# KiCad board Karnix_ASB.kicad_pcb (continued)
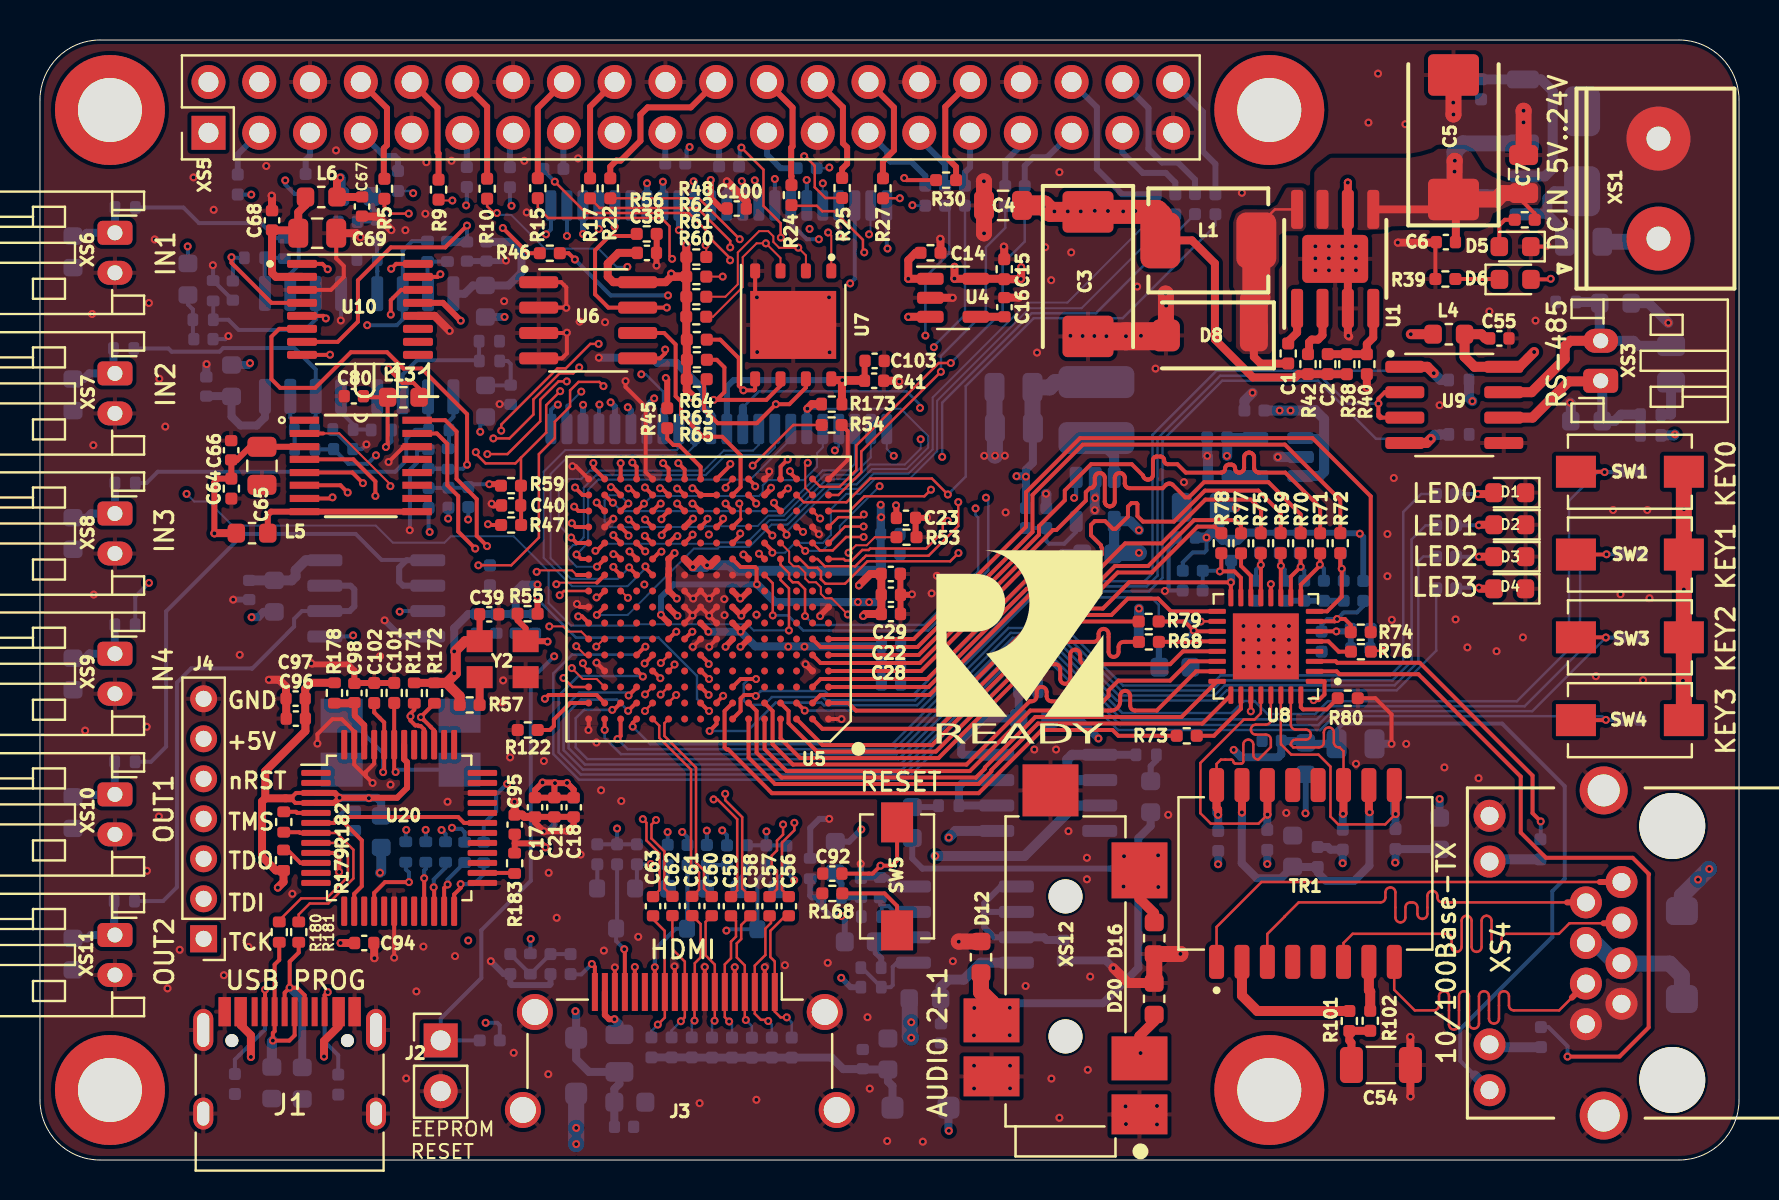
[diagram p0: board, top side]
## Placement (name value [footprint] x y rotation side) (continued)
U20  FT2232D  [LQFP-48_7x7mm_P0.5mm]  17.97 16.6 0 top
U21  K6R4016V1D-TC10 (TSOP-44/+3.3V)  [TSOP-II-44_10.16x18.41mm_P0.8mm]  33.96 42.14 90 bottom
XS1  KLS2-126-5.00-02  [KLS2-126-5.00-2_Vertical]  80.97 48.57 270 top
XS3  S2B-PH-K-S (LF)(SN)  [JST_PH_S2B-PH-K_1x02_P2.00mm_Horizontal]  78.08 38.96 90 top
XS4  RJHSE-5381  [AMPHENOL_RJHSE-5381]  81.66 10.35 90 top
XS5  Conn_02x20_Odd_Even  [PinHeader_2x20_P2.54mm_Vertical]  8.43 51.36 90 top
XS6  S2B-PH-K-S (LF)(SN)  [JST_PH_S2B-PH-K_1x02_P2.00mm_Horizontal]  3.75 46.36 270 top
XS7  S2B-PH-K-S (LF)(SN)  [JST_PH_S2B-PH-K_1x02_P2.00mm_Horizontal]  3.75 39.33 270 top
XS8  S2B-PH-K-S (LF)(SN)  [JST_PH_S2B-PH-K_1x02_P2.00mm_Horizontal]  3.75 32.32 270 top
XS9  S2B-PH-K-S (LF)(SN)  [JST_PH_S2B-PH-K_1x02_P2.00mm_Horizontal]  3.75 25.31 270 top
XS10  S2B-PH-K-S (LF)(SN)  [JST_PH_S2B-PH-K_1x02_P2.00mm_Horizontal]  3.75 18.28 270 top
XS11  S2B-PH-K-S (LF)(SN)  [JST_PH_S2B-PH-K_1x02_P2.00mm_Horizontal]  3.75 11.25 270 top
XS12  SJ-43516-SMT-BE  [CUI_SJ-43516-SMT-BE]  51.3 9.43 90 top
Y1  6MHz  [Crystal_SMD_7050-4Pin_7.0x5.0mm]  18.04 20.87 180 bottom
Y2  25 MHz  [Crystal_SMD_EuroQuartz_MT-4Pin_3.2x2.5mm]  23.15 25.04 0 top

## Library data of the parts
C1 = -: Mfr. Part Number: C1005B332K500NT; Supplier: Elitan
C2 = -: Mfr. Part Number: CC0402JRNPO9BN561; Supplier: Elitan
C3 C5 = -: Description: Polarized capacitor; Mfr. Part Number: TAJE107M025RNJ; Supplier: Fabmicro
C4 C11 C12 C65 C69 = -: Mfr. Part Number: TCC0805X5R226M100FT; Supplier: Fabmicro
C6 C17-C41 C43 C44 C47 C55-C63 C66-C68 C88 C91 C92 C94-C100 C103 = -: Mfr. Part Number: CC0402KRX7R9BB104; Supplier: Fabmicro
C7 D10 D11 D21 D22 D28 D29 Q2-Q4 R107 = -: Supplier: Fabmicro
C8 C9 C14 C15 C64 C87 = -: Mfr. Part Number: GRM155R61E105KA12D; Supplier: Fabmicro
C10 C48 C82 C83 C85 C89 C90 = -: Mfr. Part Number: GRM188R61A106KE69D; Supplier: Fabmicro
C13 C16 = -: Mfr. Part Number: GRM155R71H103KA88D; Supplier: Fabmicro
C42 C46 = -: Mfr. Part Number: TCC0805X5R226M100FT; Supplier: Elitan
C45 = -: Mfr. Part Number: CC0402KRX5R5BB475; Supplier: Fabmicro
C49 = -: Mfr. Part Number: C1608X7R1H474K080AC; Supplier: Fabmicro
C50-C53 = -: Mfr. Part Number: CC0402JRNPO9BN150; Supplier: Fabmicro
C54 = -: Mfr. Part Number: 12061A102JAT2A; Supplier: Elitan
C70-C73 C76 C77 C80 C81 C84 C86 = -: Description: Unpolarized capacitor; Mfr. Part Number: CC0402KRX7R9BB104
C74 C75 C78 C79 = -: Description: Unpolarized capacitor; Mfr. Part Number: GRM155R71H103KA88D
C101 C102 = -: Mfr. Part Number: CC0402JRNPO9BN270; Supplier: Fabmicro
D5 D6 = -: Description: Light emitting diode; Supplier: Fabmicro
D7 = -: Description: Zener Diode; Supplier: Elitan
D8 D23 = -: Supplier: Elitan
D9 = -: Description: Protective Diode; Supplier: Elitan
D12-D20 = -: Description: Protective Diode; Supplier: Fabmicro
F1 F2 = -: Description: Resettable fuse, polymeric positive temperature coefficient, small symbol; Supplier: Fabmicro
H1-H4 = -: Description: Mounting Hole without connection
J1 = -: Description: USB 2.0-only Type-C Receptacle connector; Mfg_1: Jing Extension of the Electronic Co.; Mfr. Part Number: USB4105-GF-A
J3 = -: Description: HDMI 1.4+ type A connector; Manufacturer: Amphenol; Mfr. Part Number: 10029449
J4 = -: Description: Generic connector, single row, 01x07, script generated (kicad-library-utils/schlib/autogen/connector/)
L1 = -: Mfr. Part Number: IHLP2020BZER100M01; Supplier: Elitan
L2 = -: Mfr. Part Number: LQH44PN2R2MP0; Supplier: Fabmicro
L3 L4 L17 = -: Mfr. Part Number: BLM18PG331SN1D; Supplier: Fabmicro
L5-L16 L23 = -: Description: Ferrite Beads Multi-Layer; Mfr. Part Number: BLM18PG331SN1D; Supplier: Fabmicro
Q1 = -: Description: 150A Id, 40V Vds, 3.4mOhm Rds, N-Channel MOSFET, DirectFET MT; Supplier: Elitan
R1 R7 R13 R20 = -: Mfr. Part Number: RC0402JR-07220RL; Supplier: Fabmicro
R2 R8 R14 R19 R45-R52 R56-R62 R64 R65 R82 R83 R86 R87 R91-R93 R152 = -: Mfr. Part Number: RC0402FR-0710KL
R3-R6 R9-R12 R15-R18 R21-R36 = -: Mfr. Part Number: RC0402FR-0751RL; Supplier: Fabmicro
R37 R174 R176 = -: Mfr. Part Number: RC0402FR-075K1L; Supplier: Fabmicro
R38 = -: Mfr. Part Number: RC0402FR-0733KL; Supplier: Elitan
R39 = -: Mfr. Part Number: RC0402FR-073KL; Supplier: Elitan
R40 = -: Mfr. Part Number: RC0402FR-0710K5L; Supplier: Elitan
R41 R122 = -: Mfr. Part Number: RC0402FR-0710KL; PN: RC0402FR-0710KL; Supplier: Fabmicro
R42 = -: Mfr. Part Number: RC0402FR-0747KL; Supplier: Fabmicro
R43 = -: Mfr. Part Number: RC0402FR-0715KL; Supplier: Fabmicro
R44 = -: Mfr. Part Number: RC0402FR-0718KL; Supplier: Fabmicro
R53 R54 = -: Mfr. Part Number: RC0402FR-07510RL
R55 R68-R78 R155 = -: Mfr. Part Number: RC0402FR-07110RL; Supplier: Fabmicro
R63 R168 = -: Mfr. Part Number: RC0402FR-071KL
R66 R118-R120 R159 R161 = -: Mfr. Part Number: RC0402FR-071K5L
R67 R88 R104 R105 R108 R109 R171-R173 R179 R183 = -: Mfr. Part Number: RC0402FR-0710KL; Supplier: Fabmicro
R79 R178 = -: Mfr. Part Number: RC0402FR-07510RL; Supplier: Fabmicro
R80 = -: Mfr. Part Number: RC0402FR-0712K1L
R81 R103 = -: Mfr. Part Number: RC0402FR-07330RL; Supplier: Fabmicro
R96-R100 R110-R117 = -: Mfr. Part Number: RC0402FR-0749R9L; Supplier: Fabmicro
R101 R102 = -: Mfr. Part Number: RC0402FR-0775RL
R106 = -: Mfr. Part Number: RC0805FR-07120RL; Supplier: Fabmicro
R121 R154 R160 R162 = -: Mfr. Part Number: RC0402FR-075K1L
R123 R124 R131 R132 R135 R136 R143 R144 R149-R151 R157 = -: Description: Resistor; Mfr. Part Number: RC0402FR-0711KL
R125 R126 R139 R140 R148 = -: Description: Resistor; Mfr. Part Number: RC0402FR-0751RL
R127 R128 R137 R138 R153 R180 R181 = -: Mfr. Part Number: RC0402FR-0722RL; Supplier: Fabmicro
R129 R130 R133 R134 R141 R142 R145 R146 R156 = -: Description: Resistor; Mfr. Part Number: RC0402FR-0722KL
R147 = -: Description: Resistor; Mfr. Part Number: RC0402FR-071ML
R158 = -: Mfr. Part Number: RC0402FR-0727KL
R163-R167 = -: Mfr. Part Number: RC0402FR-070RL; Supplier: Fabmicro
R182 = -: Mfr. Part Number: RC0402FR-071K5L; Supplier: Fabmicro
SW1-SW5 = -: Description: Push button switch, generic, two pins; Mfr. Part Number: DTSM-32
TR1 = -: Manufacturer: Bourns
U1 = -: Description: Up to 3 A step-down switching regulator; Manufacturer: STMicroelectronics; Mfr. Part Number: ST1S14PHR; Supplier: Elitan
U2 = -: Manufacturer: Texas Instruments Incorporated; Mfr. Part Number: TLV62565DBV; Supplier: Fabmicro; Поле4: Texas Instruments Incorporated; Поле5: Available; Поле8: 5 Pins SOT23-5 Package
U3 U4 = -: Description: 300mA low dropout linear regulator, shutdown pin, 1.5V fixed positive output, SOT-23-5
U5 = -: Manufacturer: Lattice Semiconductor; Mfr. Part Number: LFE5U-25F-8BG256C
U6 = -: Manufacturer: ATMEL
U7 = -: Manufacturer: Winbond
U8 = -: Manufacturer: Microchip
U9 = -: Field4: NXP Semiconductors; Manufacturer: Maxime; Supplier: Fabmicro; Поле7: MAX487; Поле8: 8 Pins SO8, TSSOP8 Packages
U11 = -: Description: 2.5 V to 5.5 V Octal Voltage Output 12-Bit DACs in 16-Lead TSSOP; Availability: In Stock; Check_prices: https://www.snapeda.com/parts/AD5328BRUZ/Analog+Devices/view-part/?ref=eda; MF: Analog Devices; OC_FARNELL: 1661046; OC_NEWARK: 59K3954; PACKAGE: TSSOP-16; Package: TSSOP-16 Analog Devices; Price: None; Purchase-URL: https://pricing.snapeda.com/search?q=AD5328BRUZ&ref=eda; SUPPLIER: Analog Devices; SnapEDA_Link: https://www.snapeda.com/parts/AD5328BRUZ/Analog+Devices/view-part/?ref=snap
U12-U16 = -: Description: Low-Power, Dual Operational Amplifiers, DIP-8/SOIC-8/TO-99-8
U20 = -: Supplier: Fabmicro; Поле4: Future Technology Devices International Limited; Поле5: Available; Поле8: 48 pin LQFP Package
U21 = -: Mfr. Part Number: K6R4016V1D-TC10
XS1 = -: Description: Connector, 2 Pins; Assignment: DCIN; Supplier: Fabmicro
XS3 = -: Description: Connector, 2 Pins; Assignment: RS-485; Supplier: Fabmicro; Поле7: Connector 2 Pins; Поле8: 2 Pins Connectors
XS4 = -: Manufacturer: Amphenol
XS5 = -: Description: Generic connector, double row, 02x20, odd/even pin numbering scheme (row 1 odd numbers, row 2 even numbers), script generated (kicad-library-utils/schlib/autogen/connector/); Mfr. Part Number: HEADER_2x20_2.54mm
XS6 = -: Description: Connector, 2 Pins; Assignment: IN_1; Supplier: Fabmicro; Поле7: Connector 2 Pins; Поле8: 2 Pins Connectors
XS7 = -: Description: Connector, 2 Pins; Assignment: IN_2; Supplier: Fabmicro; Поле7: Connector 2 Pins; Поле8: 2 Pins Connectors
XS8 = -: Description: Connector, 2 Pins; Assignment: IN_3; Supplier: Fabmicro; Поле7: Connector 2 Pins; Поле8: 2 Pins Connectors
XS9 = -: Description: Connector, 2 Pins; Assignment: IN_4; Supplier: Fabmicro; Поле7: Connector 2 Pins; Поле8: 2 Pins Connectors
XS10 = -: Description: Connector, 2 Pins; Assignment: OUT_1; Supplier: Fabmicro; Поле7: Connector 2 Pins; Поле8: 2 Pins Connectors
XS11 = -: Description: Connector, 2 Pins; Assignment: OUT_2; Supplier: Fabmicro; Поле7: Connector 2 Pins; Поле8: 2 Pins Connectors
XS12 = -: Description: 4 conductor 3.5 mm Surface Mount Audio Jack w/ Two Switch, Blue; Availability: In Stock; CUI_purchase_URL: https://www.cuidevices.com/product/interconnect/connectors/audio-connectors/jacks/sj-43516-smt-tr-be?utm_source=snapeda.com&utm_medium=referral&utm_campaign=snapedaBOM; Check_prices: https://www.snapeda.com/parts/SJ-43516-SMT-TR-BE/CUI+Devices/view-part/?ref=eda; MANUFACTURER: CUI INC; MF: CUI Devices; MP: SJ-43516-SMT-TR-BE; PART_REV: 1.02; Package: None; Price: None; Purchase-URL: https://www.snapeda.com/api/url_track_click_mouser/?unipart_id=490913&manufacturer=CUI Devices&part_name=SJ-43516-SMT-TR-BE&search_term=None; STANDARD: MANUFACTURER RECOMMENDATIONS; SnapEDA_Link: https://www.snapeda.com/parts/SJ-43516-SMT-TR-BE/CUI+Devices/view-part/?ref=snap
Y1 = -: Mfr. Part Number: ECS-060-18-20BM-JEN-TR
Y2 = -: Manufacturer: AVX; Mfr. Part Number: KC2520B25.0000C2GE00

## Footprints (pads in the part's own frame, mm; a bottom-side part is the same pattern mirrored in y, then rotated)
AMPHENOL_RJHSE-5381
  round 3.3 hole 3.3 unplated: (-6.35,0) (6.35,0)
  round 1.6 hole 0.9: 1(3.55,2.54) 2(2.53,4.32) 3(1.52,2.54) 4(0.5,4.32) 5(-0.51,2.54) 6(-1.53,4.32) 7(-2.54,2.54) 8(-3.56,4.32) 9(6.86,9.14) 10(4.57,9.14) 11(-6.86,9.14) 12(-4.57,9.14)
  round 2.4 hole 1.6: S1(8.13,3.43) S2(-8.13,3.43)
BGA256C80P16X16_1400X1400X170
  round 0.35 smd: A1(-6,6) A2(-5.2,6) A3(-4.4,6) A4(-3.6,6) A5(-2.8,6) A6(-2,6) A7(-1.2,6) A8(-0.4,6) A9(0.4,6) A10(1.2,6) A11(2,6) A12(2.8,6) A13(3.6,6) A14(4.4,6) A15(5.2,6) A16(6,6) B1(-6,5.2) B2(-5.2,5.2) B3(-4.4,5.2) B4(-3.6,5.2) B5(-2.8,5.2) B6(-2,5.2) B7(-1.2,5.2) B8(-0.4,5.2) B9(0.4,5.2) B10(1.2,5.2) B11(2,5.2) B12(2.8,5.2) B13(3.6,5.2) B14(4.4,5.2) B15(5.2,5.2) B16(6,5.2) C1(-6,4.4) C2(-5.2,4.4) C3(-4.4,4.4) C4(-3.6,4.4) C5(-2.8,4.4) C6(-2,4.4) C7(-1.2,4.4) C8(-0.4,4.4) C9(0.4,4.4) C10(1.2,4.4) C11(2,4.4) C12(2.8,4.4) C13(3.6,4.4) C14(4.4,4.4) C15(5.2,4.4) C16(6,4.4) D1(-6,3.6) D2(-5.2,3.6) D3(-4.4,3.6) D4(-3.6,3.6) D5(-2.8,3.6) D6(-2,3.6) D7(-1.2,3.6) D8(-0.4,3.6) D9(0.4,3.6) D10(1.2,3.6) D11(2,3.6) D12(2.8,3.6) D13(3.6,3.6) D14(4.4,3.6) D15(5.2,3.6) D16(6,3.6) E1(-6,2.8) E2(-5.2,2.8) E3(-4.4,2.8) E4(-3.6,2.8) E5(-2.8,2.8) E6(-2,2.8) E7(-1.2,2.8) E8(-0.4,2.8) E9(0.4,2.8) E10(1.2,2.8) E11(2,2.8) E12(2.8,2.8) E13(3.6,2.8) E14(4.4,2.8) E15(5.2,2.8) E16(6,2.8) F1(-6,2) F2(-5.2,2) F3(-4.4,2) F4(-3.6,2) F5(-2.8,2) F6(-2,2) F7(-1.2,2) F8(-0.4,2) F9(0.4,2) F10(1.2,2) F11(2,2) F12(2.8,2) F13(3.6,2) F14(4.4,2) F15(5.2,2) F16(6,2) G1(-6,1.2) G2(-5.2,1.2) G3(-4.4,1.2) G4(-3.6,1.2) G5(-2.8,1.2) G6(-2,1.2) G7(-1.2,1.2) G8(-0.4,1.2) G9(0.4,1.2) G10(1.2,1.2) G11(2,1.2) G12(2.8,1.2) G13(3.6,1.2) G14(4.4,1.2) G15(5.2,1.2) G16(6,1.2) H1(-6,0.4) H2(-5.2,0.4) H3(-4.4,0.4) H4(-3.6,0.4) H5(-2.8,0.4) H6(-2,0.4) H7(-1.2,0.4) H8(-0.4,0.4) H9(0.4,0.4) H10(1.2,0.4) H11(2,0.4) H12(2.8,0.4) H13(3.6,0.4) H14(4.4,0.4) H15(5.2,0.4) H16(6,0.4) J1(-6,-0.4) J2(-5.2,-0.4) J3(-4.4,-0.4) J4(-3.6,-0.4) J5(-2.8,-0.4) J6(-2,-0.4) J7(-1.2,-0.4) J8(-0.4,-0.4) J9(0.4,-0.4) J10(1.2,-0.4) J11(2,-0.4) J12(2.8,-0.4) J13(3.6,-0.4) J14(4.4,-0.4) J15(5.2,-0.4) J16(6,-0.4) K1(-6,-1.2) K2(-5.2,-1.2) K3(-4.4,-1.2) K4(-3.6,-1.2) K5(-2.8,-1.2) K6(-2,-1.2) K7(-1.2,-1.2) K8(-0.4,-1.2) K9(0.4,-1.2) K10(1.2,-1.2) K11(2,-1.2) K12(2.8,-1.2) K13(3.6,-1.2) K14(4.4,-1.2) K15(5.2,-1.2) K16(6,-1.2) L1(-6,-2) L2(-5.2,-2) L3(-4.4,-2) L4(-3.6,-2) L5(-2.8,-2) L6(-2,-2) L7(-1.2,-2) L8(-0.4,-2) L9(0.4,-2) L10(1.2,-2) L11(2,-2) L12(2.8,-2) L13(3.6,-2) L14(4.4,-2) L15(5.2,-2) L16(6,-2) M1(-6,-2.8) M2(-5.2,-2.8) M3(-4.4,-2.8) M4(-3.6,-2.8) M5(-2.8,-2.8) M6(-2,-2.8) M7(-1.2,-2.8) M8(-0.4,-2.8) M9(0.4,-2.8) M10(1.2,-2.8) M11(2,-2.8) M12(2.8,-2.8) M13(3.6,-2.8) M14(4.4,-2.8) M15(5.2,-2.8) M16(6,-2.8) N1(-6,-3.6) N2(-5.2,-3.6) N3(-4.4,-3.6) N4(-3.6,-3.6) N5(-2.8,-3.6) N6(-2,-3.6) N7(-1.2,-3.6) N8(-0.4,-3.6) N9(0.4,-3.6) N10(1.2,-3.6) N11(2,-3.6) N12(2.8,-3.6) N13(3.6,-3.6) N14(4.4,-3.6) N15(5.2,-3.6) N16(6,-3.6) P1(-6,-4.4) P2(-5.2,-4.4) P3(-4.4,-4.4) P4(-3.6,-4.4) P5(-2.8,-4.4) P6(-2,-4.4) P7(-1.2,-4.4) P8(-0.4,-4.4) P9(0.4,-4.4) P10(1.2,-4.4) P11(2,-4.4) P12(2.8,-4.4) P13(3.6,-4.4) P14(4.4,-4.4) P15(5.2,-4.4) P16(6,-4.4) R1(-6,-5.2) R2(-5.2,-5.2) R3(-4.4,-5.2) R4(-3.6,-5.2) R5(-2.8,-5.2) R6(-2,-5.2) R7(-1.2,-5.2) R8(-0.4,-5.2) R9(0.4,-5.2) R10(1.2,-5.2) R11(2,-5.2) R12(2.8,-5.2) R13(3.6,-5.2) R14(4.4,-5.2) R15(5.2,-5.2) R16(6,-5.2) T1(-6,-6) T2(-5.2,-6) T3(-4.4,-6) T4(-3.6,-6) T5(-2.8,-6) T6(-2,-6) T7(-1.2,-6) T8(-0.4,-6) T9(0.4,-6) T10(1.2,-6) T11(2,-6) T12(2.8,-6) T13(3.6,-6) T14(4.4,-6) T15(5.2,-6) T16(6,-6)
C_0402_1005Metric
  rrect 0.56x0.62 smd: 1(-0.48,0) 2(0.48,0)
C_0402_1005Metric#2
  rrect 0.6x0.6 smd: 1(-0.5,0) 2(0.5,0)
C_0603_1608Metric
  rrect 0.9x0.95 smd: 1(-0.775,0) 2(0.775,0)
C_0805_2012Metric
  rrect 1x1.45 smd: 1(-0.95,0) 2(0.95,0)
C_1206_3216Metric
  rrect 1.15x1.8 smd: 1(-1.475,0) 2(1.475,0)
CP_EIA-7343-43_Kemet-X
  rrect 2.075x2.55 smd: 1(-3.112,0) 2(3.112,0)
Crystal_SMD_7050-4Pin_7.0x5.0mm
  rect 2.1x1.7 smd: 1(-2.95,-1.35) 2(2.95,-1.35) 3(2.95,1.35) 4(-2.95,1.35)
Crystal_SMD_EuroQuartz_MT-4Pin_3.2x2.5mm
  rect 1.3x1.1 smd: 1(-1.15,-0.9) 2(1.15,-0.9) 3(1.15,0.9) 4(-1.15,0.9)
CUI_SJ-43516-SMT-BE
  round 1.7 hole 1.7 unplated: (-3.25,0) (3.75,0)
  rect 2x2.8 smd: 1(-7.15,-3.7) 6(-5.25,3.7)
  rect 2.8x2.8 smd: 2(5.05,-3.7)
  rect 2.2x2.8 smd: 3(-2.45,3.7) 4(-4.35,-3.7)
  rect 2.6x2.8 smd: 5(9.05,0.75)
D_SMA
  rrect 2.5x1.8 smd: 1(-2,0) 2(2,0)
D_SMA_FLAT
  rrect 1.4x1.6 smd: 1(-2.2,0) 2(2.2,0)
D_SOD-80
  rrect 0.9x1.6 smd: 1(-1.6,0) 2(1.6,0)
D_SOD-123F
  rrect 1.1x1.1 smd: 1(-1.4,0) 2(1.4,0)
Fuse_0603_1608Metric
  rrect 0.875x0.95 smd: 1(-0.787,0) 2(0.787,0)
Fuse_0805_2012Metric
  rrect 0.975x1.4 smd: 1(-0.938,0) 2(0.938,0)
HDMI_A_Amphenol_10029449-x01xLF_Horizontal
  rect 0.3x1.9 smd: 1(4.75,5) 2(4.25,5) 3(3.75,5) 4(3.25,5) 5(2.75,5) 6(2.25,5) 7(1.75,5) 8(1.25,5) 9(0.75,5) 10(0.25,5) 11(-0.25,5) 12(-0.75,5) 13(-1.25,5) 14(-1.75,5) 15(-2.25,5) 16(-2.75,5) 17(-3.25,5) 18(-3.75,5) 19(-4.25,5)
  round 1.8 hole 1.3: SH(-7.85,-0.9) SH(-7.25,4) SH(7.25,4) SH(7.85,-0.9)
HSOIC-8_3.9x4.9mm_P1.27mm
  rrect 1.4x1.2 smd: (0,0.7) (0,-0.7)
  rrect 1.95x0.6 smd: 1(-2.475,1.905) 2(-2.475,0.635) 3(-2.475,-0.635) 4(-2.475,-1.905) 5(2.475,-1.905) 6(2.475,-0.635) 7(2.475,0.635) 8(2.475,1.905)
  rrect 2.4x3.3 smd: 9(0,0)
IHLP-2020
  rrect 2x2.8 smd: 1(2.4,0) 2(-2.4,0)
JST_PH_S2B-PH-K_1x02_P2.00mm_Horizontal
  rrect 1.2x1.75 hole 0.75: 1(0,0)
  oval 1.2x1.75 hole 0.75: 2(2,0)
KLS2-126-5.00-2_Vertical
  round 3.2 hole 1.2: 1(2.5,0) 2(-2.5,0)
L_0603_1608Metric
  rrect 0.875x0.95 smd: 1(-0.787,0) 2(0.787,0)
LED_0603_1608Metric
  rrect 0.875x0.95 smd: 1(-0.787,0) 2(0.787,0)
LQFP-48_7x7mm_P0.5mm
  rrect 1.475x0.3 smd: 1(-4.162,2.75) 2(-4.162,2.25) 3(-4.162,1.75) 4(-4.162,1.25) 5(-4.162,0.75) 6(-4.162,0.25) 7(-4.162,-0.25) 8(-4.162,-0.75) 9(-4.162,-1.25) 10(-4.162,-1.75) 11(-4.162,-2.25) 12(-4.162,-2.75) 25(4.162,-2.75) 26(4.162,-2.25) 27(4.162,-1.75) 28(4.162,-1.25) 29(4.162,-0.75) 30(4.162,-0.25) 31(4.162,0.25) 32(4.162,0.75) 33(4.162,1.25) 34(4.162,1.75) 35(4.162,2.25) 36(4.162,2.75)
  rrect 0.3x1.475 smd: 13(-2.75,-4.162) 14(-2.25,-4.162) 15(-1.75,-4.162) 16(-1.25,-4.162) 17(-0.75,-4.162) 18(-0.25,-4.162) 19(0.25,-4.162) 20(0.75,-4.162) 21(1.25,-4.162) 22(1.75,-4.162) 23(2.25,-4.162) 24(2.75,-4.162) 37(2.75,4.162) 38(2.25,4.162) 39(1.75,4.162) 40(1.25,4.162) 41(0.75,4.162) 42(0.25,4.162) 43(-0.25,4.162) 44(-0.75,4.162) 45(-1.25,4.162) 46(-1.75,4.162) 47(-2.25,4.162) 48(-2.75,4.162)
MountingHole_3.2mm_M3_ISO7380_NoPad
  round 5.5 hole 3.2: (0,0)
Murata_LQH44PN
  rrect 1.6x3.8 smd: 1(-1.4,0) 2(1.4,0)
PinHeader_1x02_P2.54mm_Vertical
  rect 1.7x1.7 hole 1: 1(0,0)
  oval 1.7x1.7 hole 1: 2(0,-2.54)
PinHeader_1x07_P2.00mm_Vertical
  rect 1.35x1.35 hole 0.8: 1(0,0)
  oval 1.35x1.35 hole 0.8: 2(0,-2) 3(0,-4) 4(0,-6) 5(0,-8) 6(0,-10) 7(0,-12)
PinHeader_2x20_P2.54mm_Vertical
  rect 1.7x1.7 hole 1: 1(0,0)
  oval 1.7x1.7 hole 1: 2(2.54,0) 3(0,-2.54) 4(2.54,-2.54) 5(0,-5.08) 6(2.54,-5.08) 7(0,-7.62) 8(2.54,-7.62) 9(0,-10.16) 10(2.54,-10.16) 11(0,-12.7) 12(2.54,-12.7) 13(0,-15.24) 14(2.54,-15.24) 15(0,-17.78) 16(2.54,-17.78) 17(0,-20.32) 18(2.54,-20.32) 19(0,-22.86) 20(2.54,-22.86) 21(0,-25.4) 22(2.54,-25.4) 23(0,-27.94) 24(2.54,-27.94) 25(0,-30.48) 26(2.54,-30.48) 27(0,-33.02) 28(2.54,-33.02) 29(0,-35.56) 30(2.54,-35.56) 31(0,-38.1) 32(2.54,-38.1) 33(0,-40.64) 34(2.54,-40.64) 35(0,-43.18) 36(2.54,-43.18) 37(0,-45.72) 38(2.54,-45.72) 39(0,-48.26) 40(2.54,-48.26)
QFN-32-1EP_5x5mm_P0.5mm_EP3.3x3.3mm
  rrect 0.89x0.89 smd: (-1.1,1.1) (-1.1,0) (-1.1,-1.1) (0,1.1) (0,0) (0,-1.1) (1.1,1.1) (1.1,0) (1.1,-1.1)
  rrect 0.875x0.25 smd: 1(-2.438,1.75) 2(-2.438,1.25) 3(-2.438,0.75) 4(-2.438,0.25) 5(-2.438,-0.25) 6(-2.438,-0.75) 7(-2.438,-1.25) 8(-2.438,-1.75) 17(2.438,-1.75) 18(2.438,-1.25) 19(2.438,-0.75) 20(2.438,-0.25) 21(2.438,0.25) 22(2.438,0.75) 23(2.438,1.25) 24(2.438,1.75)
  rrect 0.25x0.875 smd: 9(-1.75,-2.438) 10(-1.25,-2.438) 11(-0.75,-2.438) 12(-0.25,-2.438) 13(0.25,-2.438) 14(0.75,-2.438) 15(1.25,-2.438) 16(1.75,-2.438) 25(1.75,2.438) 26(1.25,2.438) 27(0.75,2.438) 28(0.25,2.438) 29(-0.25,2.438) 30(-0.75,2.438) 31(-1.25,2.438) 32(-1.75,2.438)
  rect 3.3x3.3 smd: 33(0,0)
R_0402_1005Metric
  rrect 0.6x0.6 smd: 1(-0.5,0) 2(0.5,0)
R_0402_1005Metric#2
  rrect 0.54x0.64 smd: 1(-0.51,0) 2(0.51,0)
R_0805_2012Metric
  rrect 1.025x1.4 smd: 1(-0.912,0) 2(0.912,0)
SM13126PEL
  rrect 0.75x1.7 smd: 1(-4.445,-4.42) 2(-3.175,-4.42) 3(-1.905,-4.42) 4(-0.635,-4.42) 5(0.635,-4.42) 6(1.905,-4.42) 7(3.175,-4.42) 8(4.445,-4.42) 9(4.445,4.42) 10(3.175,4.42) 11(1.905,4.42) 12(0.635,4.42) 13(-0.635,4.42) 14(-1.905,4.42) 15(-3.175,4.42) 16(-4.445,4.42)
SO-8_3.9x4.9mm_P1.27mm
  rrect 1.75x0.6 smd: 1(-2.575,1.905) 2(-2.575,0.635) 3(-2.575,-0.635) 4(-2.575,-1.905) 5(2.575,-1.905) 6(2.575,-0.635) 7(2.575,0.635) 8(2.575,1.905)
SOIC-8_3.9x4.9mm_P1.27mm
  rrect 1.95x0.6 smd: 1(-2.475,1.905) 2(-2.475,0.635) 3(-2.475,-0.635) 4(-2.475,-1.905) 5(2.475,-1.905) 6(2.475,-0.635) 7(2.475,0.635) 8(2.475,1.905)
SOP65P640X120-16N
  rect 1.473x0.356 smd: 1(-2.819,2.286) 2(-2.819,1.626) 3(-2.819,0.965) 4(-2.819,0.33) 5(-2.819,-0.33) 6(-2.819,-0.965) 7(-2.819,-1.626) 8(-2.819,-2.286) 9(2.819,-2.286) 10(2.819,-1.626) 11(2.819,-0.965) 12(2.819,-0.33) 13(2.819,0.33) 14(2.819,0.965) 15(2.819,1.626) 16(2.819,2.286)
SOT-23
  rrect 0.9x0.8 smd: 1(-1,0.95) 2(-1,-0.95) 3(1,0)
SOT-23#2
  rrect 1.475x0.6 smd: 1(-0.938,0.95) 2(-0.938,-0.95) 3(0.938,0)
SOT-23-5
  rrect 1.325x0.6 smd: 1(-1.137,0.95) 2(-1.137,0) 3(-1.137,-0.95) 4(1.137,-0.95) 5(1.137,0.95)
SOT-23-5#2
  rrect 1.06x0.65 smd: 1(-1.1,0.95) 2(-1.1,0) 3(-1.1,-0.95) 4(1.1,-0.95) 5(1.1,0.95)
SW_SPST_EVQPE1
  rect 2x1.6 smd: 1(-2.7,0) 2(2.7,0)
TSOP-II-44_10.16x18.41mm_P0.8mm
  rrect 1.525x0.55 smd: 1(-5.588,8.4) 2(-5.588,7.6) 3(-5.588,6.8) 4(-5.588,6) 5(-5.588,5.2) 6(-5.588,4.4) 7(-5.588,3.6) 8(-5.588,2.8) 9(-5.588,2) 10(-5.588,1.2) 11(-5.588,0.4) 12(-5.588,-0.4) 13(-5.588,-1.2) 14(-5.588,-2) 15(-5.588,-2.8) 16(-5.588,-3.6) 17(-5.588,-4.4) 18(-5.588,-5.2) 19(-5.588,-6) 20(-5.588,-6.8) 21(-5.588,-7.6) 22(-5.588,-8.4) 23(5.588,-8.4) 24(5.588,-7.6) 25(5.588,-6.8) 26(5.588,-6) 27(5.588,-5.2) 28(5.588,-4.4) 29(5.588,-3.6) 30(5.588,-2.8) 31(5.588,-2) 32(5.588,-1.2) 33(5.588,-0.4) 34(5.588,0.4) 35(5.588,1.2) 36(5.588,2) 37(5.588,2.8) 38(5.588,3.6) 39(5.588,4.4) 40(5.588,5.2) 41(5.588,6) 42(5.588,6.8) 43(5.588,7.6) 44(5.588,8.4)
TSSOP-16_4.4x5mm_P0.65mm
  rrect 1.5x0.4 smd: 1(-2.9,2.275) 2(-2.9,1.625) 3(-2.9,0.975) 4(-2.9,0.325) 5(-2.9,-0.325) 6(-2.9,-0.975) 7(-2.9,-1.625) 8(-2.9,-2.275) 9(2.9,-2.275) 10(2.9,-1.625) 11(2.9,-0.975) 12(2.9,-0.325) 13(2.9,0.325) 14(2.9,0.975) 15(2.9,1.625) 16(2.9,2.275)
USB_C_Receptacle_HRO_TYPE-C-31-M-12
  round 0.65 hole 0.65 unplated: (-2.89,2.6) (2.89,2.6)
  rect 0.6x1.45 smd: A1(-3.25,4.045) A4(-2.45,4.045) A9(2.45,4.045) A12(3.25,4.045) B1(3.25,4.045) B4(2.45,4.045) B9(-2.45,4.045) B12(-3.25,4.045)
  rect 0.3x1.45 smd: A5(-1.25,4.045) A6(-0.25,4.045) A7(0.25,4.045) A8(1.25,4.045) B5(1.75,4.045) B6(0.75,4.045) B7(-0.75,4.045) B8(-1.75,4.045)
  oval 1x2.1 hole 0.6x1.7: S1(-4.32,3.13) S1(4.32,3.13)
  oval 1x1.6 hole 0.6x1.2: S1(-4.32,-1.05) S1(4.32,-1.05)
WSON-8-1EP_6x5mm_P1.27mm_EP3.4x4.3mm
  rrect 1.37x1.73 smd: (-0.85,1.075) (-0.85,-1.075) (0.85,1.075) (0.85,-1.075)
  rrect 0.75x0.5 smd: 1(-2.7,1.905) 2(-2.7,0.635) 3(-2.7,-0.635) 4(-2.7,-1.905) 5(2.7,-1.905) 6(2.7,-0.635) 7(2.7,0.635) 8(2.7,1.905)
  rect 3.4x4.3 smd: 9(0,0)

## Nets
+1V1: C11.1 C12.1 C32.1 C33.1 C34.1 C35.1 C36.1 C37.1 L2.2 R43.1 U5.G6 U5.G7 U5.G9 U5.L8 U5.L9 U5.L10
+2V5: C9.1 C30.1 C31.1 U2.1 U3.5 U5.G11 U5.L7
+3V3: C15.1 C17.1 C18.1 C19.1 C20.1 C21.1 C22.1 C23.1 C24.1 C25.1 C26.1 C27.1 C28.1 C29.1 C38.1 C39.1 C41.1 C42.1 C43.1 C64.1 C65.1 C66.1 C67.1 C100.1 C103.1 D21.2 L3.2 L5.1 L6.2 L11.2 L12.2 L13.2 L14.2 L16.2 L17.2 R45.1 R46.1 R47.1 R48.1 R49.1 R50.1 R51.1 R57.1 R58.1 R59.1 R60.1 R61.1 R62.1 R63.1 R64.1 R65.1 R66.1 R67.1 R82.1 R83.1 R84.1 R85.1 R86.1 R87.1 R88.1 R104.1 R118.1 R119.1 R120.1 R154.1 R159.1 R160.1 R161.1 R162.1 R171.2 R172.2 R173.2 SW1.1 SW2.1 SW3.1 SW4.1 U4.5 U5.F6 U5.F7 U5.F10 U5.F11 U5.H6 U5.H7 U5.H11 U5.J6 U5.J7 U5.J11 U5.K11 U5.L6 U5.L11 U6.8 U7.8 U8.12 U10.13 U11.3 U21.11 U21.33 XS5.1 XS5.17 Y2.4
+3V3_HDMI: C88.1 C89.1 D21.1 R110.1 R111.1 R112.1 R113.1 R114.1 R115.1 R116.1 R117.1
+5V: C2.1 C3.1 C4.1 C8.1 C10.1 C14.1 D6.2 D22.2 J1.A4 J1.A9 J1.B4 J1.B9 J4.6 L1.1 L4.2 L7.2 L8.2 L9.2 L10.2 L15.2 L23.2 R38.1 R42.1 U2.4 U3.1 U3.3 U4.1 U4.3 XS5.2 XS5.4
+5V_HDMI: C90.1 C91.1 D22.1 F2.1 R158.1
+24V: C5.1 C6.1 C7.1 D7.1 Q1.3 R37.1 U1.5 U1.7
GND: C3.2 C4.2 C5.2 C6.2 C7.2 C8.2 C9.2 C10.2 C11.2 C12.2 C13.2 C14.2 C15.2 C16.2 C17.2 C18.2 C19.2 C20.2 C21.2 C22.2 C23.2 C24.2 C25.2 C26.2 C27.2 C28.2 C29.2 C30.2 C31.2 C32.2 C33.2 C34.2 C35.2 C36.2 C37.2 C38.2 C39.2 C40.2 C41.2 C42.2 C43.2 C44.2 C45.2 C46.2 C47.2 C48.2 C49.2 C50.2 C51.2 C52.2 C53.2 C54.2 C55.2 C64.2 C65.2 C66.2 C67.2 C68.2 C69.2 C70.2 C71.2 C72.2 C73.2 C74.2 C75.2 C76.1 C77.1 C78.2 C79.2 C80.1 C81.1 C84.2 C86.1 C87.2 C88.2 C89.2 C90.2 C91.2 C92.2 C94.2 C95.2 C96.2 C97.2 C98.2 C99.2 C100.2 C101.2 C102.2 C103.2 D1.1 D2.1 D3.1 D4.1 D5.1 D8.2 D9.1 D10.1 D11.1 D12.2 D13.2 D14.1 D15.1 D16.2 D17.2 D18.1 D19.1 D20.1 D28.1 D29.1 J1.A1 J1.A12 J1.B1 J1.B12 J1.S1 J2.2 J3.2 J3.5 J3.8 J3.11 J3.17 J3.SH J4.7 R2.2 R8.2 R14.2 R19.2 R39.2 R40.2 R41.2 R44.2 R52.2 R53.2 R54.2 R56.2 R80.2 R89.2 R90.2 R91.2 R92.2 R93.2 R94.2 R95.2 R108.2 R109.2 R122.2 R133.1 R134.1 R145.1 R146.1 R149.1 R151.1 R152.1 R156.1 R168.2 R174.2 R176.2 U1.3 U1.6 U1.9 U2.2 U3.2 U4.2 U5.A1 U5.A16 U5.D2 U5.D15 U5.F8 U5.F9 U5.G8 U5.G10 U5.H1 U5.H8 U5.H9 U5.H10 U5.H16 U5.J8 U5.J9 U5.J10 U5.K6 U5.K7 U5.K8 U5.K9 U5.K10 U5.N2 U5.N15 U5.T1 U5.T5 U5.T12 U5.T16 U6.1 U6.2 U6.3 U6.4 U7.4 U7.9 U8.33 U9.5 U10.3 U10.12 U11.14 U12.4 U13.4 U14.4 U15.4 U16.4 U20.9 U20.18 U20.25 U20.34 U20.45 U20.47 U21.12 U21.34 XS1.2 XS4.7 XS4.8 XS4.9 XS4.S1 XS4.S2 XS5.6 XS5.9 XS5.14 XS5.20 XS5.25 XS5.30 XS5.34 XS5.39 XS6.2 XS7.2 XS8.2 XS9.2 XS10.2 XS11.2 XS12.1 XS12.5 XS12.6 Y2.2
/Ethernet/COL: R78.2 R87.2 R95.1 U8.15
/Ethernet/RCLK: R74.2 R85.2 R93.1 U8.7
/Ethernet/RXD0: R69.2 R82.2 R89.1 U8.11
/Ethernet/RXD1: R70.2 R83.2 R90.1 U8.10
/Ethernet/RXD2: R71.2 R91.1 U8.9
/Ethernet/RXD3: R72.2 R84.2 R92.1 U8.8
/Ethernet/RXER: R75.2 R86.2 R94.1 U8.13
/FDTI Programmer/FT_N: R180.2 U20.8
/FDTI Programmer/FT_P: R181.2 R182.1 U20.7
ADC_SPI_CSn: U5.F16 U10.1
ADC_SPI_MISO: U5.G16 U10.15
ADC_SPI_MOSI: U5.E16 U10.14
ADC_SPI_SCLK: U5.F15 U10.16
CLK: R55.2 R76.2 Y2.3
DAC_AUDIO_L: U11.6 U14.3
DAC_AUDIO_R: U11.7 U14.5
DAC_SPI_CSn: U5.C15 U11.2
DAC_SPI_MISO: R122.1 U5.B16
DAC_SPI_MOSI: U5.B15 U11.15
DAC_SPI_SCLK: U5.C16 U11.16
DCIN: D23.1 F1.2 XS1.1
EEPROM_I2C_SCK: U5.R7 U6.6
EEPROM_I2C_SDA: U5.P7 U6.5
EEPROM_RESET: J2.1 R58.2 U5.T6
EEPROM_WP: R56.1 U5.R6 U6.7
ETHERNET_CT: C49.1 R96.2 TR1.10 TR1.15
ETHERNET_RX+: C52.1 R99.2 TR1.11 U8.31
ETHERNET_RX-: C53.1 R100.2 TR1.9 U8.30
ETHERNET_TX+: C50.1 R97.2 TR1.16 U8.29
ETHERNET_TX-: C51.1 R98.2 TR1.14 U8.28
FPGA_RESET: C40.1 C92.1 J4.5 R47.2 R59.2 R166.2 SW5.1 U5.R8 U5.R9
FT_VCC: C94.1 C95.1 C96.1 C97.1 L23.1 R178.1 R179.2 R183.2 U20.3 U20.4 U20.42
GPIO_00: R26.2 U5.L1
GPIO_01: R27.1 U5.L2
GPIO_02: R3.2 U5.M1
GPIO_03: R4.1 U5.M2
GPIO_04: R6.2 U5.K4
GPIO_05: R28.1 U5.K5
GPIO_06: R29.2 U5.L4
GPIO_07: R25.1 U5.L5
GPIO_08: R24.2 U5.N1
GPIO_09: R21.1 U5.P2
GPIO_10: R18.2 U5.L3
GPIO_11: R23.1 U5.M3
GPIO_12: R30.2 U5.P1
GPIO_13: R31.1 U5.R1
GPIO_14: R5.2 U5.M4
GPIO_15: R9.1 U5.N3
GPIO_16: R32.2 U5.N4
GPIO_17: R11.2 U5.D16
GPIO_18: R10.1 U5.R2
GPIO_19: R33.1 U5.T2
GPIO_20: R35.1 U5.P4
GPIO_21: R36.1 U5.R3
GPIO_22: R16.2 U5.R4
GPIO_23: R15.2 U5.T3
GPIO_24: R17.2 U5.R5
GPIO_25: R22.2 U5.T4
GPIO_26: R34.1 U5.M5
GPIO_27: R12.2 U5.N5
HDDC_CEC: J3.13 Q2.3 R158.2
HDDC_SCL: J3.15 Q4.3 R162.2
HDDC_SDA: J3.16 Q3.3 R160.2
HDMI_CEC: R155.2 U5.C9
HDMI_HPD: R153.1 U5.B8
HDMI_SCL: Q4.2 R119.2 U5.E9
HDMI_SDA: Q3.2 R159.2 U5.D9
HDMI_TX0+: C60.1 U5.A11
HDMI_TX0-: C61.1 U5.A12
HDMI_TX1+: C58.1 U5.D11
HDMI_TX1-: C59.1 U5.E11
HDMI_TX2+: C56.1 U5.B11
HDMI_TX2-: C57.1 U5.C11
HDMI_TXC+: C62.1 U5.B12
HDMI_TXC-: C63.1 U5.C12
IN1_U: D14.2 R129.1 XS6.1
IN1_U_ADC: C74.1 R125.1 U10.4
IN2_U: D18.2 R141.1 XS7.1
IN2_U_ADC: C78.1 R139.1 U10.5
IN3_U: D15.2 R130.1 XS8.1
IN3_U_ADC: C75.1 R126.1 U10.6
IN4_U: D19.2 R142.1 XS9.1
IN4_U_ADC: C79.1 R140.1 U10.7
JTAG_TCK: J4.1 R52.1 R163.2 U5.T10
JTAG_TDI: J4.2 R50.2 R164.2 U5.R11
JTAG_TDO: J4.3 R49.2 R165.2 U5.M10
JTAG_TMS: J4.4 R51.2 R167.2 U5.T11
KEY0: R2.1 SW1.2 U5.B13
KEY1: R8.1 SW2.2 U5.C13
KEY2: R14.1 SW3.2 U5.D13
KEY3: R19.1 SW4.2 U5.E13
LAN_COL: R78.1 U5.B2
LAN_CRS: R77.1 U5.C1
LAN_MDC: U5.A2 U8.17
LAN_MDIO: R66.2 U5.B1 U8.16
LAN_nINT: R67.2 U5.B3 U8.18
LAN_nRST: R79.1 U5.A3
LAN_RCLK: R74.1 U5.F1
LAN_RXD0: R69.1 U5.D1
LAN_RXD1: R70.1 U5.E2
LAN_RXD2: R71.1 U5.E1
LAN_RXD3: R72.1 U5.F2
LAN_RXDV: R73.1 U5.B7
LAN_RXER: R75.1 U5.C2
LAN_TXCLK: R68.1 U5.B4
LAN_TXD0: U5.B5 U8.22
LAN_TXD1: U5.A5 U8.23
LAN_TXD2: U5.B6 U8.24
LAN_TXD3: U5.A6 U8.25
LAN_TXEN: U5.A4 U8.21
LAN_VDD2A: C46.1 C47.1 L3.1 U8.1 U8.27 XS4.11
LED0: R1.1 U5.A13
LED1: R7.1 U5.A14
LED2: R13.1 U5.A15
LED3: R20.1 U5.B14
LED_GREEN: R81.2 XS4.10
LED_YELLOW: R103.1 U8.2
MIC_IN: C85.1 D20.2 R149.2 R157.1 XS12.4
MIC_U_ADC: R148.1 U10.8
OUT1_DAC: U11.4 U15.3
OUT1_U: D13.1 R128.1 XS10.1
OUT2_DAC: U11.5 U15.5
OUT2_U: D17.1 R138.1 XS11.1
OUT_AUDIO_L: C82.2 D12.1 XS12.3
OUT_AUDIO_R: C83.2 D16.1 XS12.2
POWER_GOOD_5V: R42.2 U1.2
QSPI_D2: R60.2 U5.M7 U7.3
QSPI_D3: R65.2 U5.N7 U7.7
RS485_A: D10.2 R105.2 R107.2 U9.6 XS3.1
RS485_B: D11.2 R106.2 R108.1 U9.7 XS3.2
RS485_DE: U5.C7 U9.2 U9.3
RS485_DI: R109.1 U5.A8 U9.4
RS485_RO: R104.2 U5.A7 U9.1
SPI_CONFIG_MISO: R61.2 U5.T7 U7.2
SPI_CONFIG_MOSI: R64.2 U5.T8 U7.5
SPI_CONFIG_SCK: R63.2 U5.N9 U7.6
SPI_CONFIG_SS: R62.2 U5.N8 U7.1
SRAM_#BHE: U5.J16 U21.40
SRAM_#BLE: U5.J15 U21.39
SRAM_#CS: R173.1 U5.H15 U21.6
SRAM_#OE: U5.J14 U21.41
SRAM_#WE: U5.K14 U21.17
SRAM_A00: U5.N13 U21.1
SRAM_A01: U5.P14 U21.2
SRAM_A02: U5.R15 U21.3
SRAM_A03: U5.T15 U21.4
SRAM_A04: U5.P13 U21.5
SRAM_A05: U5.R14 U21.18
SRAM_A06: U5.R13 U21.19
SRAM_A07: U5.T14 U21.20
SRAM_A08: U5.R12 U21.21
SRAM_A09: U5.T13 U21.22
SRAM_A10: U5.M12 U21.23
SRAM_A11: U5.N12 U21.24
SRAM_A12: U5.M11 U21.25
SRAM_A13: U5.N11 U21.26
SRAM_A14: U5.P11 U21.27
SRAM_A15: U5.P12 U21.42
SRAM_A16: U5.K16 U21.43
SRAM_A17: U5.K15 U21.44
SRAM_D00: U5.L16 U21.7
SRAM_D01: U5.L15 U21.8
SRAM_D02: U5.M16 U21.9
SRAM_D03: U5.M15 U21.10
SRAM_D04: U5.K13 U21.13
SRAM_D05: U5.K12 U21.14
SRAM_D06: U5.L13 U21.15
SRAM_D07: U5.L12 U21.16
SRAM_D08: U5.N16 U21.29
SRAM_D09: U5.P15 U21.30
SRAM_D10: U5.L14 U21.31
SRAM_D11: U5.M14 U21.32
SRAM_D12: U5.P16 U21.35
SRAM_D13: U5.R16 U21.36
SRAM_D14: U5.M13 U21.37
SRAM_D15: U5.N14 U21.38
UART_DEBUG_RXD: R171.1 U5.D12 U20.40
UART_DEBUG_TXD: R172.1 U5.E12 U20.39
Net-(C54-Pad1): C54.1 R101.2 R102.2
Net-(C76-Pad2): C76.2 L11.1 R131.1
Net-(C77-Pad2): C77.2 L12.1 R132.1
Net-(C80-Pad2): C80.2 L13.1 R143.1
Net-(C81-Pad2): C81.2 L14.1 R144.1
Net-(C82-Pad1): C82.1 R127.1
Net-(C83-Pad1): C83.1 R137.1
Net-(C86-Pad2): C86.2 L16.1 R150.1 R157.2
Net-(C87-Pad1): C87.1 R121.1 R152.2 R153.2
Net-(D1-A): D1.2 R1.2
Net-(D2-A): D2.2 R7.2
Net-(D3-A): D3.2 R13.2
Net-(D4-A): D4.2 R20.2
